# KiCad board MemoryBrakout.kicad_pcb (continued)
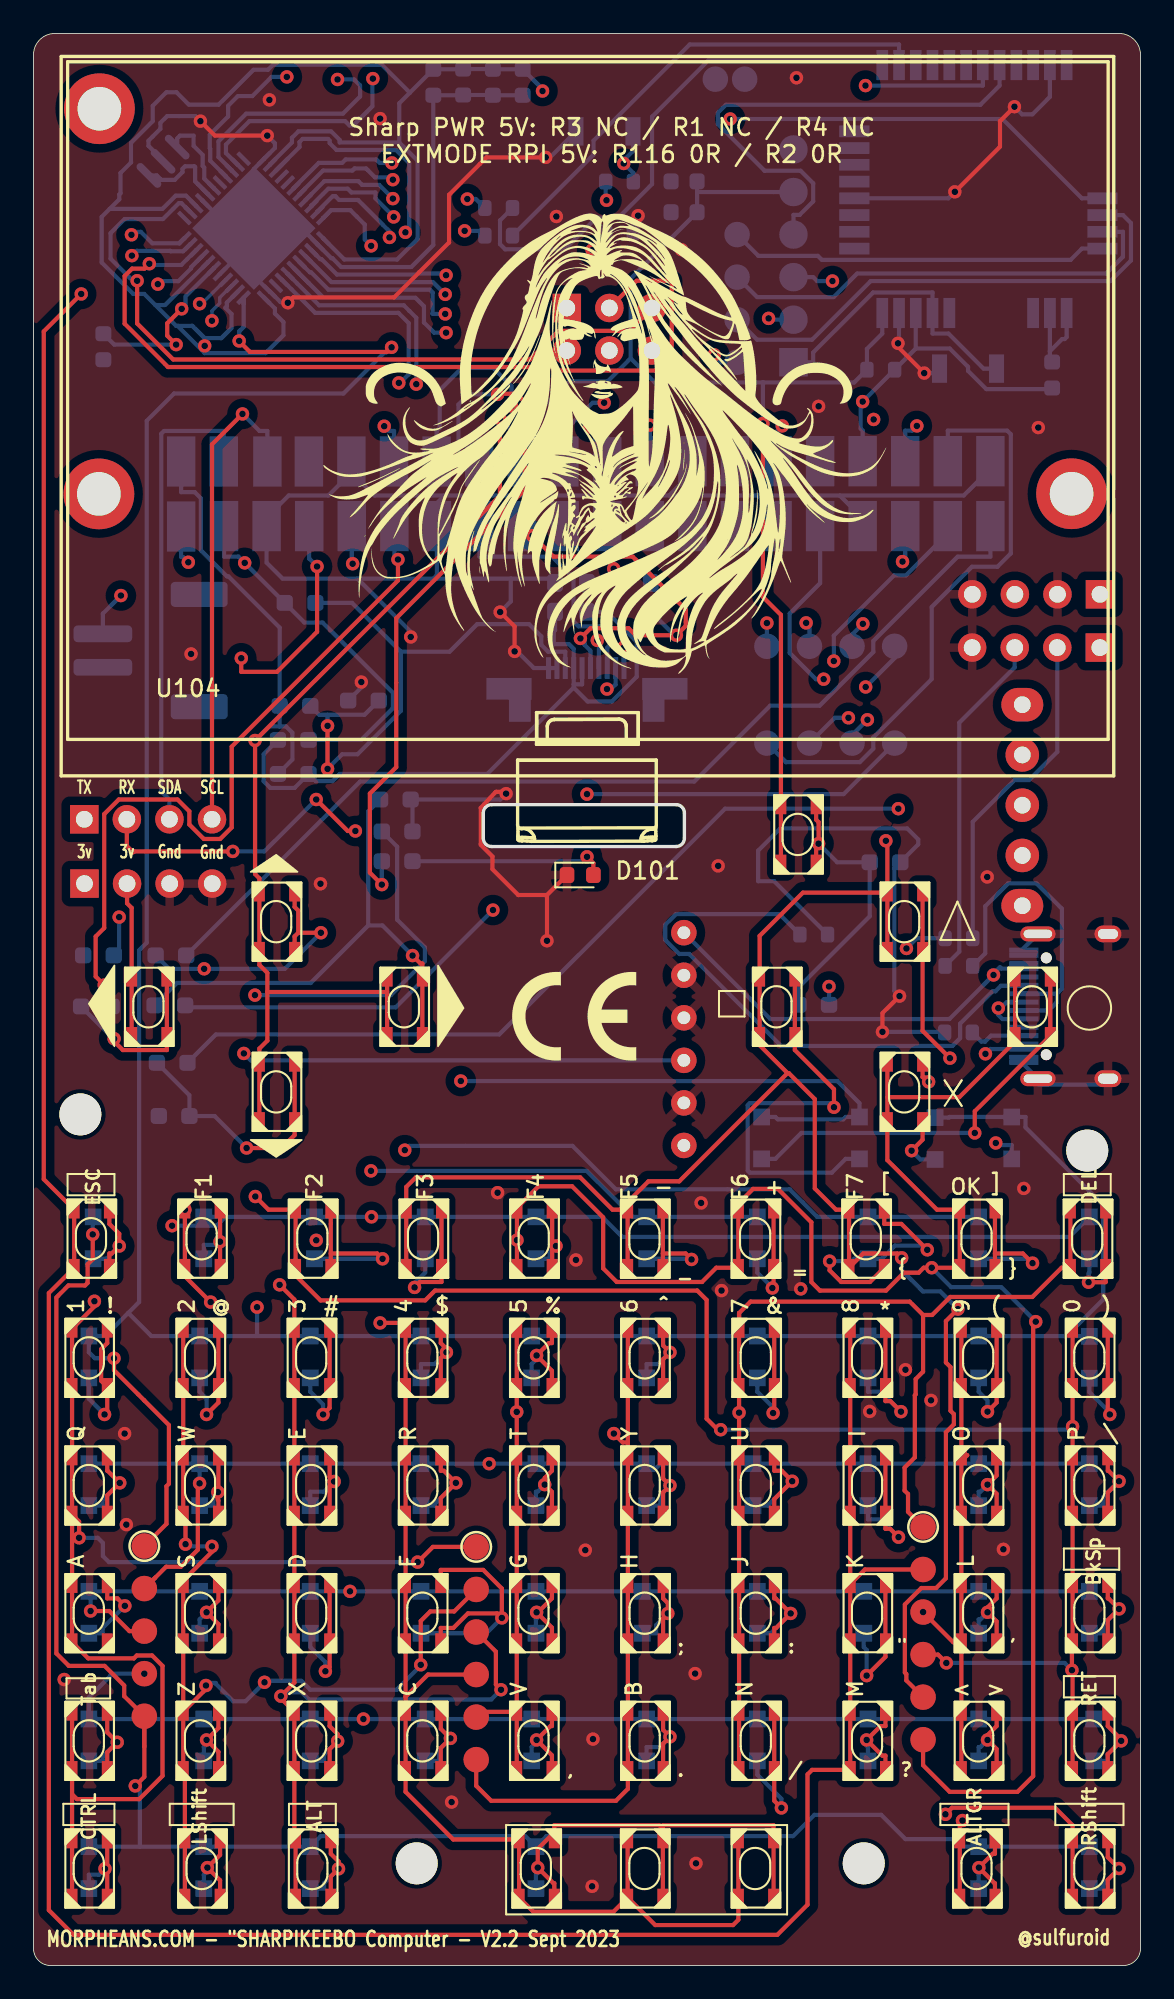
[diagram p0: board, top side]
## Nets
5volts: C107.2 C108.2 C109.2 C110.2 J104.1 J105.2 J107.1 J109.2 J110.2 J110.4 R2.1 R4.2 R102.1 U103.2 U103.7 U103.14 U103.24 U103.34 U103.44
+3V3: C104.2 C105.2 J101.5 J106.1 J106.2 J110.1 J110.17 R1.2 R3.1 R103.1 SW101.1 SW103.1 SW104.1 SW106.1 SW107.1 U101.24
/VBUS5v: J111.A4 J111.A9 J111.B4 J111.B9 U102.6
GND: C103.1 C104.1 C105.1 C106.1 C107.1 C108.1 C109.1 C110.1 C111.2 C112.2 C113.2 D101.1 J101.6 J103.2 J104.2 J104.4 J106.3 J106.4 J107.4 J109.6 J110.6 J110.9 J110.14 J110.20 J110.25 J110.30 J110.34 J110.39 J111.A1 J111.A12 J111.B1 J111.B12 J111.S1 R101.2 R105.2 R107.2 R109.2 R113.2 R116.2 R118.1 R121.1 R122.1 SW102.2 SW105.2 U101.11 U101.17 U101.18 U101.23 U101.28 U102.2 U102.4 U102.5 U103.5 U103.15 U103.23 U103.35 U103.43 U103.45 U104.9 U104.10 Y101.2
/BAT+: J103.1 J104.3 U102.3
/BOOTR: J101.1 SW105.1 U101.21
/BUT1: J110.12 R108.1
/BUT2: J110.32 R104.1
/BUT3: J110.36 R106.1
/BUT4: J110.38 R110.1
/BUT5: J110.40 R114.1
/CS: J110.16 U104.3
/DIO0W: J110.7
/DISPON: C111.1 J110.18 U104.5
/EXTCOMIN: J110.22 U104.4
/EXTMODE: R1.1 R4.1 R116.1 U104.8
/I5: J110.29 J113.4
/I17: J110.11 J112.1
/I19: J110.35 J112.3
/I27: J110.13 J112.2
/I29: J110.37 J112.4
/MISO: J110.21 J113.2
/MOSI: J110.19 J113.1 U104.2
/RESETR: C103.2 J101.2 J110.33 R103.2 U101.22
/RX1: U101.5
/RXD: J108.2 J110.10 R112.1
/SCK: J110.23 J113.3 U104.1
/SCL: J108.4 J110.5
/SDA: J108.3 J110.3
/SWCLK: J101.4 U101.8
/SWDIO: J101.3 U101.7
/TX1: U101.4
/TXD: J108.1 J110.8 R111.1
/VIOLED: J110.15 R123.1
COL0: J2.1 Ky201.1 Ky202.1 Ky203.1 Ky204.1 Ky205.1 U103.28
COL1: J2.2 Ky206.1 Ky207.1 Ky208.1 Ky209.1 Ky210.1 U103.29
COL2: J2.3 Ky211.1 Ky212.1 Ky213.1 Ky214.1 Ky215.1 U103.30
COL3: J2.4 Ky216.1 Ky217.1 Ky218.1 Ky219.1 Ky220.1 Ky221.1 Ky222.1 U103.31
COL4: J2.5 Ky223.1 Ky224.1 Ky225.1 Ky226.1 Ky227.1 U103.32
COL5: J2.6 Ky228.1 Ky229.1 Ky230.1 Ky231.1 Ky232.1 U103.37
COL6: J3.1 Ky233.1 Ky234.1 Ky235.1 Ky236.1 Ky237.1 U103.36
COL7: J3.2 Ky238.1 Ky239.1 Ky240.1 Ky241.1 Ky242.1 U103.8
COL8: J3.3 Ky243.1 Ky244.1 Ky245.1 Ky246.1 Ky247.1 U103.19
COL9: J3.4 Ky248.1 Ky249.1 Ky250.1 Ky251.1 Ky252.1 U103.20
COL10: J3.5 Ky253.1 Ky254.1 Ky255.1 Ky256.1 Ky257.1 U103.21
COL11: J3.6 Ky258.1 Ky259.1 Ky260.1 Ky261.1 Ky262.1 U103.25
D+: J107.2 R119.2 U103.4
D-: J107.3 R120.2 U103.3
MISOA: J109.1 U103.11
MOSIA: J109.4 U103.10
RESETA: J109.5 R102.2 SW102.1 U103.13
ROW0: D201.1 D206.1 D211.1 D216.1 D221.1 D226.1 D231.1 D236.1 D241.1 D246.1 D251.1 D256.1 J1.1 U103.1
ROW1: D202.1 D207.1 D212.1 D217.1 D222.1 D227.1 D232.1 D237.1 D242.1 D247.1 D252.1 D257.1 J1.2 U103.38
ROW2: D203.1 D208.1 D213.1 D218.1 D223.1 D228.1 D233.1 D238.1 D243.1 D248.1 D253.1 D258.1 J1.3 U103.41
ROW3: D204.1 D209.1 D214.1 D219.1 D224.1 D229.1 D234.1 D239.1 D244.1 D249.1 D254.1 D259.1 J1.4 U103.40
ROW4: D205.1 D210.1 D215.1 D220.1 D225.1 D230.1 D235.1 D240.1 D245.1 D250.1 D255.1 D260.1 J1.5 U103.39
SCKA: J109.3 U103.9
UCAP: C106.2 U103.6
XTAL1: U103.17 Y101.1
XTAL2: U103.16 Y101.3
Net-(D101-A): D101.2 R123.2
Net-(D201-A): D201.2 Ky201.2
Net-(D202-A): D202.2 Ky202.2
Net-(D203-A): D203.2 Ky203.2
Net-(D204-A): D204.2 Ky204.2
Net-(D205-A): D205.2 Ky205.2
Net-(D206-A): D206.2 Ky206.2
Net-(D207-A): D207.2 Ky207.2
Net-(D208-A): D208.2 Ky208.2
Net-(D209-A): D209.2 Ky209.2
Net-(D210-A): D210.2 Ky210.2
Net-(D211-A): D211.2 Ky211.2
Net-(D212-A): D212.2 Ky212.2
Net-(D213-A): D213.2 Ky213.2
Net-(D214-A): D214.2 Ky214.2
Net-(D215-A): D215.2 Ky215.2
Net-(D216-A): D216.2 Ky217.2
Net-(D217-A): D217.2 Ky218.2
Net-(D218-A): D218.2 Ky219.2
Net-(D219-A): D219.2 Ky220.2
Net-(D220-A): D220.2 Ky216.2 Ky221.2 Ky222.2
Net-(D221-A): D221.2 Ky223.2
Net-(D222-A): D222.2 Ky224.2
Net-(D223-A): D223.2 Ky225.2
Net-(D224-A): D224.2 Ky226.2
Net-(D225-A): D225.2 Ky227.2
Net-(D226-A): D226.2 Ky228.2
Net-(D227-A): D227.2 Ky229.2
Net-(D228-A): D228.2 Ky230.2
Net-(D229-A): D229.2 Ky231.2
Net-(D230-A): D230.2 Ky232.2
Net-(D231-A): D231.2 Ky233.2
Net-(D232-A): D232.2 Ky234.2
Net-(D233-A): D233.2 Ky235.2
Net-(D234-A): D234.2 Ky236.2
Net-(D235-A): D235.2 Ky237.2
Net-(D236-A): D236.2 Ky238.2
Net-(D237-A): D237.2 Ky239.2
Net-(D238-A): D238.2 Ky240.2
Net-(D239-A): D239.2 Ky241.2
Net-(D240-A): D240.2 Ky242.2
Net-(D241-A): D241.2 Ky243.2
Net-(D242-A): D242.2 Ky244.2
Net-(D243-A): D243.2 Ky245.2
Net-(D244-A): D244.2 Ky246.2
Net-(D245-A): D245.2 Ky247.2
Net-(D246-A): D246.2 Ky248.2
Net-(D247-A): D247.2 Ky249.2
Net-(D248-A): D248.2 Ky250.2
Net-(D249-A): D249.2 Ky251.2
Net-(D250-A): D250.2 Ky252.2
Net-(D251-A): D251.2 Ky253.2
Net-(D252-A): D252.2 Ky254.2
Net-(D253-A): D253.2 Ky255.2
Net-(D254-A): D254.2 Ky256.2
Net-(D255-A): D255.2 Ky257.2
Net-(D256-A): D256.2 Ky258.2
Net-(D257-A): D257.2 Ky259.2
Net-(D258-A): D258.2 Ky260.2
Net-(D259-A): D259.2 Ky261.2
Net-(D260-A): D260.2 Ky262.2
Net-(J102-Pin_1): J102.1 U101.13
Net-(J102-Pin_2): J102.2 U101.14
Net-(J102-Pin_3): J102.3 U101.15
Net-(J102-Pin_4): J102.4 U101.16
Net-(J105-Pin_1): J105.1 U102.1
Net-(J111-CC1): J111.A5 R122.2
Net-(J111-CC2): J111.B5 R121.2
Net-(J111-D+-PadA6): J111.A6 J111.B6 R119.1
Net-(J111-D--PadA7): J111.A7 J111.B7 R120.1
Net-(R101-Pad1): R101.1 R104.2 SW101.2
Net-(R105-Pad1): R105.1 R106.2 SW103.2
Net-(R107-Pad1): R107.1 R108.2 SW104.2
Net-(R109-Pad1): R109.1 R110.2 SW106.2
Net-(R113-Pad1): R113.1 R114.2 SW107.2
Net-(U101-UART2_RX/PA3): R111.2 U101.1
Net-(U101-UART2_TX/PA2): R112.2 U101.2
Net-(U103-~{HWB}/PE2): R118.2 U103.33
Net-(U104-VDDA): C112.1 C113.1 R2.2 R3.2 U104.6 U104.7

Pads without a net: J103 MP; J105 3; J110 24 26 27 28 31 41 42; J111 A8 B8; U101 3 6 9 10 12 19 20 25 26 27 29 30 31 32; U103 12 18 22 26 27 42; U104 11

## Via types
v1: diameter 0.8, hole 0.4, Top to Bottom, 259 vias

## Routing (per net, layer and track width the routed paths; a pad name or vN(x,y) marks a point on that pad's centre or on a via; arc(x,y) is an arc through that point)
5volts: length 210.5
  In1.Cu w0.25: J105.2 63.62,73.88 J107.1 ; v1(9.23,83.76) 10.21,84.73 v1(10.21,96.67) ; v1(50.12,92.28) 49.25,92.28 46.31,95.22 33.8,95.22 32.99,96.03 32.99,96.39 J109.2
  In2.Cu w0.25: 32.59,105.36 32.59,101.98 32.99,101.58 32.99,97.94 32.62,97.57 31.81,97.57 J109.2 ; 32.59,105.36 32.59,109.66 v1(30.37,111.88) ; 32.59,105.36 v1(34.18,105.36) ; v1(50.12,92.28) 50.46,92.62 53,92.62 62.61,83.02 63.63,83.02 J104.1 63.63,79.85 63.62,79.84 J107.1 ; v1(12.6,83.72) 9.27,83.72 v1(9.23,83.76)
  Bottom w0.25: 8.59,97.87 8.51,97.87 7.26,99.11 ; 8.59,97.87 9.47,97.87 10.21,97.13 ; 8.59,97.87 10.21,96.24 13.84,96.24 14.91,97.31 14.91,98.09 14.4,98.6 14.4,98.9 U103.44 ; U103.34 17.29,103.08 18.54,101.83 21.69,101.83 22.91,103.05 22.91,107.72 21.82,108.81 ; 4.55,104.85 5.12,105.42 5.12,105.71 5.19,105.78 5.19,106.99 5.82,107.62 5.82,108.79 7.11,110.08 7.11,111 7.92,111.81 8.52,111.81 9.27,111.07 11.04,111.07 13.13,113.15 13.99,113.15 14.29,113.45 20.78,113.45 22.45,111.78 ; 4.55,104.85 7.7,104.85 8.48,105.64 9.09,105.64 9.71,105.02 9.71,105.01 U103.14 ; 4.55,104.85 4.06,104.37 4.06,101.65 5.94,99.77 6.6,99.77 7.26,99.11 ; 14.11,107.49 U103.24 14.11,107.49 ; 14.11,107.49 14.11,107.5 15.42,108.81 15.42,109.09 15.8,109.47 17.75,109.47 18.26,108.97 18.26,108.81 21.82,108.81 ; 22.45,111.78 C109.2 25.62,113.18 C107.2 27.39,113.2 C110.2 C108.2 30.37,112 v1(30.37,111.88) ; 22.45,111.78 21.82,111.15 21.82,108.81 ; R102.1 34.14,105.41 v1(34.18,105.36) ; 7.26,99.11 7.85,99.11 U103.7 ; J110.4 11.37,84.09 12.23,84.09 v1(12.6,83.72) R4.2 16.16,80.16 17.25,80.16 21.44,75.97 21.44,75.04 19.55,73.15 R2.1 ; U103.2 11.53,99.25 11.53,99.03 11.44,98.95 11.81,98.58 11.81,97.74 11.2,97.13 10.21,97.13 ; 10.21,97.13 v1(10.21,96.67) ; v1(9.23,83.76) 8.92,84.07 8.81,84.07 J110.2
+3V3: length 185.2
  Top w0.25: SW104.1 SW104.1 5.85,63.13 5.58,63.4 J106.2 ; 13.95,58.11 13.95,55.2 13.47,54.73 SW103.1 SW103.1 ; 13.95,58.11 21.09,58.11 ; 13.95,58.11 13.95,59.25 13.47,59.72 SW107.1 SW107.1 13.47,64.89 13.22,65.14 v1(13.22,73.12) 27.83,87.73 v1(27.83,92.33) ; 21.09,58.11 SW106.1 ; 21.09,58.11 SW106.1 ; SW101.1 SW101.1 44.59,80.61 43.52,81.69 v1(43.52,92.04)
  In1.Cu w0.25: v1(13.22,73.12) 9.38,69.28 9.38,67.57 6.76,64.94 6.76,64.58 J106.2 J106.1
  Bottom w0.25: v1(27.83,92.33) 28.41,91.75 29.13,91.75 ; R3.1 15.44,71.98 15.44,73.58 15.06,73.96 14.69,73.96 ; 29.13,91.75 31.94,94.56 34.25,94.56 35.62,95.93 ; 29.13,91.75 J110.17 ; 43.52,94.49 37.07,94.49 35.62,95.93 ; 43.52,94.49 v1(43.52,92.04) ; 43.52,94.49 48.96,94.49 R103.1 49.72,96.49 50.63,97.41 U101.24 ; 39.59,105.85 C105.2 ; 39.59,105.85 C104.2 35.62,100.69 35.62,95.93 ; 39.59,105.85 J101.5 ; 14.69,73.96 14.06,73.96 v1(13.22,73.12) ; 14.69,73.96 R1.2 14.69,79.85 11.63,82.91 11.54,82.91 9.98,84.47 9.98,87.57 9.62,87.94 8.81,87.94 J110.1
/VBUS5v: length 31.1
  In2.Cu w0.25: v1(57.27,59.12) 56.79,58.64 v1(56.79,54.41)
  Bottom w0.25: v1(57.27,59.12) 54.64,56.49 43.95,56.49 U102.6 ; v1(57.27,59.12) 57.3,59.15 ; v1(57.27,59.12) 57.27,59.2 57.66,59.59 57.74,59.5 J111.B9 ; v1(56.79,54.41) 57.08,54.7 J111.A9
GND: length 286.3
  Top w0.25: v1(50.65,55.73) 50.65,56.85 v1(51.66,57.86) ; v1(54.97,105.87) 57.66,108.56 57.66,110.08 v1(58.52,110.95) ; 30.63,63.89 v1(30.63,61.16) ; 30.63,63.89 D101.1 ; 30.63,63.89 28.92,63.89 27.38,65.43 27.38,66.19 26.68,66.89 26.68,69.1 27.53,70 27.58,70.05 28.09,70.05 v1(28.19,69.95) ; v1(53.14,95.05) 51.58,96.61 v1(51.58,96.82) ; v1(15.17,99.25) 15.49,99.57 21.51,99.57 23.01,101.07 24.79,102.84 24.79,105.69 26.62,107.52 27.03,107.92 v1(30.56,107.92) ; v1(28.7,78.44) 28.7,79.92 v1(27.84,80.79) ; v1(13.94,109.22) 10.82,109.22 v1(9.96,110.08)
  In1.Cu w0.25: v1(19.56,76.61) 19.56,77.47 21.39,79.3 v1(22.5,79.3) ; v1(39.83,45.52) 37.8,45.52 36.42,46.89 36.42,54.19 U102.4
  Bottom w0.25: J110.20 31.69,86.57 30.51,87.74 ; U101.17 61.63,97.19 61.52,97.08 61.37,97.08 60.63,96.35 ; 30.51,87.74 37.91,87.74 ; 30.51,87.74 24.52,87.74 ; 24.52,87.74 20.34,87.74 18.97,89.12 ; 24.52,87.74 24.07,87.29 J110.14 24.07,82.99 23.85,82.78 ; 13.14,102.98 13.14,100.85 14.09,99.91 U103.43 14.12,99.91 14.73,99.29 15.13,99.29 v1(15.17,99.25) ; 13.14,102.98 11.13,100.97 U103.5 ; 13.14,102.98 U103.45 ; 13.14,102.98 U103.45 ; J111.A12 59.08,53.77 J111.S1 ; 19.33,82.78 23.85,82.78 ; 19.33,82.78 14.86,82.78 13.91,83.73 J110.6 13.91,86.42 15.22,87.74 17.59,87.74 18.97,89.12 ; 19.33,82.78 22.5,79.6 v1(22.5,79.3) ; 23.85,82.78 28.47,82.78 ; J110.30 44.39,86.57 43.21,87.74 ; Y101.2 7.73,107.74 6.86,108.61 6.86,108.92 7.57,109.63 7.57,109.98 7.98,110.39 9.65,110.39 v1(9.96,110.08) ; 28.47,82.78 30.86,82.78 C113.2 ; 28.47,82.78 28.47,81.42 v1(27.84,80.79) ; 59.92,52.58 64.1,52.58 ; R122.1 44.18,64.72 43.23,64.72 43.23,66.55 44.55,67.87 52.12,67.87 52.78,67.21 52.78,66.92 R101.2 51.35,65.49 51.35,58.17 v1(51.66,57.86) ; SW102.2 30.81,107.92 v1(30.56,107.92) ; U103.45 13.14,107.23 13.75,107.83 U103.23 13.76,107.84 14.4,108.48 14.4,108.76 v1(13.94,109.22) ; U103.45 15.99,103.7 16.93,102.75 U103.35 17.76,101.9 17.83,101.9 18.36,101.38 22.54,101.38 23.85,102.69 C109.1 25.62,111.63 C107.1 27.39,111.65 C110.1 C108.1 ; U103.45 11.72,103.7 10.06,105.36 U103.15 10.05,105.36 ; v1(28.7,78.44) 28.85,78.44 29.85,77.44 U104.10 U104.9 ; J110.25 39.31,89.14 37.91,87.74 ; R116.2 19.56,76.29 v1(19.56,76.61) ; J111.S1 59.08,60.73 J111.A1 ; 43.21,87.74 37.91,87.74 ; 43.21,87.74 48.1,87.74 ; J110.39 57.09,89.33 55.5,87.74 48.1,87.74 ; R118.1 35.79,104.16 v1(36.07,104.44) ; R107.2 22.61,69.49 R109.2 27.84,69.6 v1(28.19,69.95) ; U101.23 51.63,96.88 v1(51.58,96.82) ; U101.11 60.63,111.54 59.59,110.49 58.98,110.49 v1(58.52,110.95) ; v1(53.14,95.05) 53.79,95.05 SW105.2 ; v1(50.65,55.73) 54.32,55.73 R121.1 ; 18.97,89.12 J110.9 ; v1(54.97,105.87) 54.58,105.48 U101.28 ; 48.1,87.74 49.47,86.38 J110.34 ; 60.63,96.35 60.63,95.84 C103.1 ; 60.63,96.35 U101.18
  vias: v1(1.83,17.07) v1(5.44,31.75) v1(5.54,26.31) v1(9.4,78.28) v1(14.07,111.35) v1(17.12,64.57) v1(20.68,110.24) v1(24.94,9.75) v1(27.69,46.13) v1(31.19,104.39) v1(32.36,42.11) v1(32.92,24.79) v1(33.32,4.72) v1(33.38,13.51) v1(38.66,102.41) v1(39.47,17.42) v1(39.52,6.1) v1(40.84,65.63) v1(41.05,40.28) v1(45.52,112.67) v1(45.77,40.39) v1(46.84,93.07) v1(49.89,33.07) v1(52.02,35.56) v1(53.54,33.73) v1(56.9,64.97) v1(57.86,24.84) v1(59.08,46.38) v1(59.94,91.8)
/BAT+: length 97.4
  In1.Cu w0.25: U102.3 56.07,71.3 56.07,74.53 59.72,78.18 59.72,79.49 58.55,80.67 J104.3
  In2.Cu w0.25: v1(5.21,81.77) 4.38,80.94 4.38,62.28 12.22,54.44 v1(12.55,54.44)
  Bottom w0.25: J103.1 4.13,80.69 v1(5.21,81.77) ; v1(12.55,54.44) 12.96,54.03 U102.3
/BOOTR: length 17.5
  Bottom w0.25: 57.45,95.31 56.68,95.31 54.58,97.41 53.63,97.41 U101.21 53.63,99.86 50.09,99.86 46.51,96.28 46.51,95.69 J101.1
/BUT1: length 44
  Top w0.25: v1(4.22,58.52) 3.71,59.03 3.71,61.42 4.22,61.93 4.22,68.73 5.09,69.6 8.59,69.6 9.3,68.89 9.3,68.1 10.16,67.24 11.13,67.24 11.82,67.93 11.82,72.75 21.74,82.67 v1(21.74,83.92)
  Bottom w0.25: v1(4.22,58.52) 4.22,57.69 R108.1 ; v1(21.74,83.92) 21.53,84.14 J110.12
/BUT2: length 30.7
  In2.Cu w0.25: v1(47.46,58.43) 47.56,58.54 47.56,67.26 47.14,67.68 v1(47.14,76.78)
  Bottom w0.25: J110.32 46.93,82.51 45.11,80.69 45.11,78.34 46.67,76.78 v1(47.14,76.78) ; v1(47.46,58.43) R104.1
/BUT3: length 65.7
  In1.Cu w0.25: v1(51.59,69.05) 51.84,69.3 v1(51.84,83.8)
  Bottom w0.25: R106.1 10.88,55.57 27.78,55.57 41.26,69.05 v1(51.59,69.05) ; v1(51.84,83.8) 52.01,83.96 J110.36
/BUT4: length 60.1
  In1.Cu w0.25: v1(47.74,77.86) 47.86,77.74 47.86,75.6 35.26,63 v1(27.41,63)
  Bottom w0.25: v1(47.74,77.86) 47.74,79.38 51.34,82.97 52.05,82.97 54.55,85.47 J110.38 ; v1(27.41,63) 21.61,57.19 9.16,57.19 R110.1
/BUT5: length 60
  Bottom w0.25: R114.1 19.48,70.67 39.42,70.67 43.95,75.2 46.9,75.2 50.1,78.4 50.1,79.06 55.13,84.09 57.09,84.09 J110.40
/CS: length 15.1
  Bottom w0.25: J110.16 26.61,84.09 30.93,84.09 32.21,82.81 32.21,80.23 32.51,79.93 33.85,79.93 34.39,79.39 34.39,78.82 34.23,78.66 U104.3
/DISPON: length 23.9
  Top w0.25: v1(32.63,79.21) 33.23,79.82 35.5,79.82 35.92,79.4 v1(38.35,79.4) 38.91,79.96 38.91,80.92 35.74,84.1 31.02,84.1 v1(29.77,85.34)
  Bottom w0.25: J110.18 29.2,85.92 v1(29.77,85.34) ; U104.5 33.23,78.47 32.87,78.83 32.87,78.97 v1(32.63,79.21) ; C111.1 38.23,79.4 v1(38.35,79.4)
/EXTCOMIN: length 9.1
  In1.Cu w0.25: v1(34.61,83.37) 33.63,82.39 v1(33.63,79.09)
  Bottom w0.25: v1(33.63,79.09) 33.73,79 U104.4 ; J110.22 34.23,84.09 34.61,83.7 v1(34.61,83.37)
/EXTMODE: length 36
  Top w0.25: v1(17.54,71.42) v1(17.54,73.99)
  Bottom w0.25: 21.92,78.42 21.92,74.89 19.33,72.3 18.41,72.3 v1(17.54,71.42) ; 21.92,78.42 19,81.33 R4.1 ; 21.92,78.42 24.82,78.42 26.47,80.06 29.57,80.06 30.29,79.33 30.29,78.82 30.7,78.42 31.73,78.42 U104.8 ; v1(17.54,73.99) 17.54,74.65 ; 17.54,74.65 17.04,74.65 R1.1 ; 17.54,74.65 19.75,74.65 R116.1
/I5: length 15.8
  In2.Cu w0.25: v1(43.75,80.13) 43.75,90.98 v1(44.67,91.89)
  Bottom w0.25: v1(44.67,91.89) 44.39,91.61 44.39,91.61 J110.29 ; v1(43.75,80.13) J113.4
/I17: length 49.1
  In2.Cu w0.25: v1(20.92,91.88) 20.92,82.02 v1(33.02,69.92)
  Bottom w0.25: v1(20.92,91.88) 21.21,91.59 21.51,91.59 J110.11 ; v1(33.02,69.92) 48.33,69.92 J112.1
/I19: length 24.8
  In2.Cu w0.25: v1(48.62,74.47) 48.84,74.47 52.7,78.33 v1(52.7,91.89)
  Bottom w0.25: v1(48.62,74.47) 47.8,74.47 J112.3 ; v1(52.7,91.89) 52.42,91.61 52.01,91.61 J110.35
/I27: length 43.4
  In1.Cu w0.25: v1(28.51,93.09) 39.64,81.96 45.36,81.96 48.75,78.57 48.75,75.61 49.75,74.62 v1(49.75,74.35)
  Bottom w0.25: J110.13 24.05,91.59 24.23,91.77 24.23,94.03 25.55,95.35 27.43,95.35 28.51,94.27 v1(28.51,93.09) ; J112.2 48.83,73.44 v1(49.75,74.35)
/I29: length 35.9
  Bottom w0.25: J110.37 54.55,91.61 58.09,91.61 58.3,91.4 58.3,84.29 57.51,83.49 55.99,83.49 53.58,81.09 53.58,76.78 50.1,73.3 50.1,72.63 49.3,71.82 44.89,71.82 J112.4
/MISO: length 25.8
  In1.Cu w0.25: v1(49.48,80.08) 38.69,90.87 34.15,90.87 v1(33.18,91.83)
  Bottom w0.25: v1(33.18,91.83) 33.47,91.55 34.23,91.55 J110.21 ; J113.2 48.83,79.44 v1(49.48,80.08)
/MOSI: length 52.9
  In1.Cu w0.25: v1(34.04,93.28) 37.36,93.28 50.22,80.42 50.22,76.88 v1(49.65,76.31)
  In2.Cu w0.25: v1(34.21,76.19) 34.36,76.34 34.36,82.6 33.89,83.07 33.89,83.67 34.04,83.83 v1(34.04,93.28)
  Bottom w0.25: v1(34.21,76.19) 34.45,76.19 34.73,76.47 U104.2 ; v1(34.04,93.28) 33.35,93.28 31.67,91.59 J110.19 ; v1(49.65,76.31) 51.37,78.04 J113.1
/RESETR: length 28.7
  In1.Cu w0.25: v1(49.47,93.34) 48.82,93.34 v1(43.85,98.31)
  Bottom w0.25: U101.22 52.63,96.51 ; 52.63,96.51 54.66,96.51 55.75,95.42 55.75,95.18 56.84,94.09 60.7,94.09 C103.2 ; 52.63,96.51 R103.2 v1(49.47,93.34) 49.35,93.23 49.35,91.73 49.47,91.61 J110.33 ; J101.2 43.93,98.23 v1(43.85,98.31)
/RXD: length 90.8
  Top w0.25: v1(11.89,66.5) 5.99,66.5 5.94,66.45 5.57,66.82 J108.2 ; v1(16.87,69.6) 18.75,67.72 v1(19.2,67.72)
  In1.Cu w0.25: v1(19.04,83.67) 18.76,83.39 18.76,68.16 v1(19.2,67.72)
  In2.Cu w0.25: J108.2 5.57,69.59 13.47,77.49 13.47,100.77 21.02,108.32 21.73,108.32 25.72,104.33 v1(25.72,103.54)
  Bottom w0.25: v1(16.87,69.6) 13.77,66.5 v1(11.89,66.5) ; J110.10 18.99,83.72 v1(19.04,83.67) ; v1(25.72,103.54) 26.64,103.54 R112.1
/SCK: length 30.8
  In1.Cu w0.25: v1(46.09,80.14) 45.36,80.87 37.41,80.87 v1(35.23,78.69)
  In2.Cu w0.25: v1(35.23,78.69) 36.77,80.23 v1(36.77,91.94)
  Bottom w0.25: v1(46.09,80.14) 46.29,79.94 J113.3 ; J110.23 v1(36.77,91.94) ; v1(35.23,78.69) U104.1
/SCL: length 28.7
  Top w0.25: J108.4 10.65,90.79 v1(12.47,92.61)
  Bottom w0.25: J110.5 13.95,91.59 13.48,91.59 v1(12.47,92.61)
/SDA: length 28.8
  Bottom w0.25: J108.3 8.11,69.59 7.62,70.08 7.62,91.43 7.78,91.59 11.35,91.59 J110.3
/SWCLK: length 30.3
  Bottom w0.25: J101.4 45.34,104.49 45.71,104.49 46.51,105.3 46.51,106.38 45.76,107.12 43.61,107.12 40.83,109.91 40.83,110.58 41.31,111.06 56.49,111.06 57.63,112.21 U101.8
/SWDIO: length 23.1
  In2.Cu w0.25: v1(47.66,100.54) 47.66,110.24 v1(49.63,112.21)
  Bottom w0.25: v1(47.66,100.54) 46.75,100.54 46.51,100.77 J101.3 ; U101.7 56.63,112.21 v1(49.63,112.21)
/TXD: length 68.9
  Top w0.25: v1(16.92,83.5) 16.92,79.6 14.53,77.22 12.4,77.22 v1(12.4,78.03)
  In1.Cu w0.25: 11.07,78.24 11.07,96.82 12.96,98.72 12.96,100.24 21.08,108.36 22.95,108.36 v1(25.88,105.44) ; 11.07,78.24 11.07,77.63 3.03,69.59 J108.1 ; 11.07,78.24 11.28,78.03 v1(12.4,78.03)
  Bottom w0.25: v1(25.88,105.44) 26.39,105.44 R111.1 ; v1(16.92,83.5) 16.45,83.97 J110.8
/VIOLED: length 43.3
  Top w0.25: v1(20.78,64.52) 20.07,65.23 20.07,69.95 21.64,71.53 21.64,80.42 29.31,88.09 29.31,93.32 28.82,93.81 27.72,93.81 v1(27.69,93.78)
  Bottom w0.25: J110.15 25.55,89.77 25.35,89.97 25.35,93.17 25.96,93.78 v1(27.69,93.78) ; R123.1 20.78,65.91 v1(20.78,64.52)
COL0: length 163.7
  Top w0.25: J2.1 23.83,24.99 v1(22.92,24.08) ; Ky202.1 2.72,26.5 v1(2.72,25.53) ; Ky202.1 Ky203.1 Ky203.1 3.26,18.33 5.99,18.33 6.16,18.5 7.07,18.5 7.7,17.88 7.7,11.32 6.31,9.93 2.59,9.93 2.3,10.22 ; Ky202.1 Ky202.1 Ky201.1 2.3,38 3.63,39.33 v1(3.63,39.65) ; 2.3,10.22 Ky204.1 Ky204.1 ; 2.3,10.22 Ky205.1 Ky205.1
  In1.Cu w0.25: v1(3.63,39.65) 3.96,39.32 6.48,39.32 7.48,40.32 11.11,40.32 13.96,43.17 13.96,100.17 v1(21.38,107.59)
  Bottom w0.25: 15.52,106.08 U103.28 15.52,106.08 ; 15.52,106.08 15.52,106.1 16.1,106.68 17.02,107.59 18.41,107.59 18.62,107.8 20.45,107.8 20.5,107.75 20.66,107.59 v1(21.38,107.59) ; v1(2.72,25.53) 3.84,25.53 4.14,25.22 4.14,24.44 4.5,24.08 v1(22.92,24.08)
COL1: length 160.7
  Top w0.25: Ky210.1 Ky210.1 9.03,11.58 Ky209.1 Ky209.1 ; 8.93,38 Ky206.1 Ky207.1 Ky207.1 9.07,26.78 v1(9.07,25.15) ; v1(10.29,16.71) 10.29,16.5 Ky209.1 ; J2.2 25.1,21.13 23.67,21.13 23.1,20.56 v1(23.1,17.95) ; Ky209.1 Ky208.1 Ky208.1 8.93,22.98 10.64,24.69 v1(10.64,25.02)
  In1.Cu w0.25: v1(21.44,106.59) 21.02,106.59 14.41,99.98 14.41,77.11 14.45,77.06 14.45,42.32 12.24,40.11 12.24,38.56 13.33,37.47 13.33,19.01 13.78,18.56 v1(13.78,16.9)
  Bottom w0.25: v1(10.64,25.02) 9.19,25.02 v1(9.07,25.15) ; v1(23.1,17.95) 23.1,17.89 21.67,16.46 16.51,16.46 15.98,16.99 13.87,16.99 v1(13.78,16.9) 12.65,15.77 11.91,15.77 10.87,16.81 10.87,16.87 10.44,16.87 v1(10.29,16.71) ; 15.87,105.73 U103.29 15.87,105.73 ; 15.87,105.73 15.87,105.74 16.2,106.07 17.27,107.14 19.03,107.14 19.15,107.26 19.84,107.26 19.94,107.16 20.37,106.73 21.3,106.73 v1(21.44,106.59)
COL2: length 129.7
  Top w0.25: Ky215.1 Ky215.1 15.56,7.59 Ky214.1 Ky214.1 14.76,15.95 v1(14.76,16.08) 15.56,16.88 Ky213.1 Ky213.1 Ky212.1 Ky212.1 Ky211.1 15.56,39.75 v1(14.68,40.63) ; v1(27.89,16.46) 27.58,16.76 27.58,18.73 J2.3
  In1.Cu w0.25: v1(14.68,40.63) 14.9,40.85 14.9,77.2 14.88,77.22 14.88,97.79 15.9,98.8 15.9,100.66 15.81,100.75 20.37,105.31 20.42,105.31 20.57,105.46 v1(21.44,105.46)
  Bottom w0.25: v1(14.76,16.08) 14.99,16.31 16,16.31 16.43,15.88 27.31,15.88 v1(27.89,16.46) ; U103.30 16.23,105.38 16.59,105.74 17.35,106.5 19.38,106.5 19.6,106.28 20.62,106.28 v1(21.44,105.46)
COL3: length 148.2
  Top w0.25: Ky216.1 Ky216.1 42.05,2.73 41.73,2.41 37.09,2.41 Ky222.1 ; Ky222.1 34.6,3.21 29.82,3.21 Ky221.1 Ky221.1 25.04,7.52 22.2,10.37 Ky220.1 Ky220.1 22.2,16.03 ; Ky222.1 Ky222.1 ; 22.2,16.03 Ky219.1 Ky219.1 Ky218.1 Ky218.1 Ky217.1 22.2,38 21.84,38.35 v1(20.68,38.35) ; 22.2,16.03 23.53,17.37 J2.4
  In1.Cu w0.25: v1(16.87,43.28) 16.87,45.24 16.61,45.49 16.61,55.09 15.7,56.01 15.35,56.35 15.35,78.24 15.42,78.31 15.42,89.1 15.52,89.2 15.52,97.61 16.41,98.5 16.41,100.43 17.63,101.65 17.68,101.65 20.4,104.37 v1(21.49,104.37)
  In2.Cu w0.25: v1(20.68,38.35) 20.57,38.25 17.3,38.25 16.92,38.63 16.87,38.68 v1(16.87,43.28)
  Bottom w0.25: v1(21.49,104.37) 21.49,104.38 20.4,105.48 20.4,105.83 18.97,105.83 18.75,106.05 17.58,106.05 17.27,105.74 16.58,105.05 16.58,105.03 ; 16.58,105.03 U103.31 ; 16.58,105.03 16.58,105.01
COL4: length 168.7
  Top w0.25: J2.5 26.72,15.14 Ky226.1 ; v1(55.42,8.65) 55.26,8.49 Ky227.1 Ky227.1 ; Ky226.1 Ky225.1 Ky225.1 Ky224.1 Ky224.1 v1(28.83,33.04) Ky223.1 28.83,38 ; Ky226.1 Ky226.1
  In1.Cu w0.25: v1(55.42,8.65) 55.42,11.08 53.67,12.82 53.67,19.28 54.29,19.89 54.29,21.78 43.4,32.67 43.4,32.75 42.42,33.73 29.51,33.73 v1(28.83,33.04)
  In2.Cu w0.25: v1(21.23,103.14) 20.68,103.14 20.4,103.43 19.25,103.43 16.18,100.36 16.18,98.35 15.42,97.59 15.42,38.58 21.08,32.92 28.7,32.92 v1(28.83,33.04)
  Bottom w0.25: 16.93,104.67 U103.32 16.93,104.67 ; 16.93,104.67 16.93,104.69 17.84,105.6 18.01,105.6 18.23,105.38 19.36,105.38 20.83,103.91 21.23,103.5 v1(21.23,103.14)
COL5: length 175.6
  Top w0.25: v1(34.62,31.75) 35.15,31.22 35.46,31.22 ; Ky232.1 Ky232.1 61.99,8.37 60.95,9.41 54.79,9.41 v1(54.4,9.02) ; 35.46,31.22 Ky228.1 35.46,38 ; 35.46,31.22 Ky229.1 Ky229.1 Ky230.1 Ky230.1 Ky231.1 Ky231.1 35.46,10.54 34.75,9.83 27.31,9.83 26.41,10.72 J2.6
  In1.Cu w0.25: v1(24.56,99.75) 25.12,99.75 26.07,98.79 26.23,98.64 26.23,37.17 26.73,36.67 26.73,32.12 27.45,31.4 31.63,31.4 32.26,32.03 34.34,32.03 v1(34.62,31.75) 35.69,30.68 44.52,30.68 53.84,21.36 53.84,20.3 53.22,19.68 53.22,12.42 54.4,11.23 v1(54.4,9.02)
  Bottom w0.25: v1(24.56,99.75) 23.83,100.48 17.78,100.48 U103.37
COL6: length 160.9
  Top w0.25: 42.09,38.94 42.77,39.62 52.27,39.62 53.07,38.83 ; 42.09,38.94 42.09,38 ; 42.09,38.94 42.09,38 ; J3.1 52.17,27.07 52.17,28.14 51.97,28.35 51.97,29.72 52.58,30.33 52.58,34.04 52.63,34.09 52.63,35 53.07,35.44 53.07,38.83 ; 42.09,38 Ky233.1 v1(42.09,33) Ky234.1 Ky234.1 Ky235.1 Ky235.1 Ky236.1 Ky236.1 ; 53.07,38.83 53.61,38.83 54.69,39.9 59.59,39.9 61.33,41.65 Ky237.1 Ky237.1
  In1.Cu w0.25: v1(42.09,33) 37.01,33 36.68,32.66 32.16,32.66 31.34,31.85 27.91,31.85 27.18,32.59 27.18,36.85 26.68,37.35 26.68,98.82 v1(24.61,100.89)
  Bottom w0.25: 16.85,102.11 U103.36 ; 16.85,102.11 16.58,102.38 ; 16.85,102.11 17.12,101.84 17.19,101.84 18.1,100.93 22.87,100.93 22.94,100.99 24.51,100.99 v1(24.61,100.89)
COL7: length 195.3
  Top w0.25: J3.2 49.6,23.64 Ky240.1 ; Ky240.1 Ky239.1 Ky239.1 Ky238.1 48.72,38 ; Ky240.1 Ky240.1 Ky241.1 Ky241.1 46.45,11.68 46.18,11.41 46.18,3.63 44.37,1.83 2.39,1.83 0.91,3.3 0.91,40.14 Ky242.1 Ky242.1 0.61,46.93 0.61,97.54 v1(2.84,99.77)
  In1.Cu w0.25: v1(2.84,99.77) 3.17,99.44 6.5,99.44 v1(7.42,100.36)
  Bottom w0.25: v1(7.42,100.36) 7.59,100.53 8.64,100.53 9.4,101.29 9.4,101.36 U103.8
COL8: length 223.9
  Top w0.25: v1(10.57,39.6) 9.03,41.13 Ky247.1 v1(9.03,45.11) ; Ky246.1 Ky246.1 Ky245.1 ; 55.36,38 Ky243.1 Ky244.1 55.43,30.45 55.7,30.45 55.36,30.11 Ky244.1 Ky245.1 Ky245.1 ; Ky245.1 54.87,19.3 v1(53.07,21.1)
  In1.Cu w0.25: v1(9.03,45.11) 9.03,45.78 7.39,47.42 1.8,47.42 1.17,48.06 1.17,101.22 2.29,102.34 2.62,102.34 6.17,105.89 6.17,109.07 10.01,112.9 14.94,112.9 v1(15.11,112.73) ; v1(10.57,39.6) 12.88,37.29 12.88,5.97 16.38,2.46 51.61,2.46 53.06,3.91 53.06,11.33 51.64,12.75 51.64,19.66 v1(53.07,21.1)
  Bottom w0.25: 11.47,106.78 U103.19 ; 11.47,106.78 11.47,106.79 10.54,107.72 10.54,108.43 10.52,108.46 10.52,109.27 11.61,110.36 11.61,111 12.19,111.58 13.06,111.58 14.2,112.73 v1(15.11,112.73) ; 11.47,106.78 11.47,106.78
COL9: length 200.4
  Top w0.25: 61.99,38 Ky248.1 v1(61.99,32.17) Ky249.1 Ky249.1 Ky250.1 Ky250.1 61.95,19.26 v1(61.95,17.63) 61.99,17.59 Ky251.1 Ky251.1 ; v1(13.23,45.9) 14.02,45.11 Ky252.1 Ky252.1 15.63,41.19 17.12,39.7 23.37,39.7 23.95,40.28 39.6,40.28 40.16,39.73 40.16,32.64 40.82,31.98 v1(41,31.98) ; J3.4 53.96,18.56 v1(54.46,18.06)
  In1.Cu w0.25: v1(13.23,45.9) 11.71,47.42 8.91,47.42 5.87,50.47 5.87,52.3 5.18,52.98 3.96,52.98 2.51,54.43 2.51,62.75 1.8,63.46 1.8,82.12 6.22,86.54 6.34,86.65 6.34,90.95 4.72,92.56 1.62,95.66 1.62,100.73 1.7,100.81 2.79,101.9 3.07,101.9 4.8,103.63 6.62,105.45 6.62,108.73 9.96,112.06 10.19,112.29 14.35,112.29 14.73,111.91 17.47,111.91 v1(18.14,112.57)
  Bottom w0.25: U103.20 11.83,107.14 ; 11.83,107.14 11.83,107.14 11.03,107.94 11.03,108.87 12.69,110.53 18.46,110.53 19.48,111.56 19.48,112.22 19.18,112.52 19.13,112.57 v1(18.14,112.57) ; 11.83,107.14 11.83,107.13 ; v1(61.99,32.17) 61.8,31.98 v1(41,31.98) ; v1(61.95,17.63) 61.52,18.06 v1(54.46,18.06)
COL10: length 192.2
  Top w0.25: v1(51.79,42.24) 51.53,42.5 49.5,42.5 Ky256.1 Ky256.1 47.88,45.11 46.61,46.38 46.61,51.71 45.06,53.26 44.98,53.26 ; Ky253.1 45.9,64.04 43.32,61.46 Ky254.1 Ky254.1 43.32,54.93 44.98,53.26 ; Ky253.1 Ky253.1 ; Ky253.1 50.94,67.04 v1(50.85,67.13) ; J3.5 52.07,17.02 52.07,17.4 51.98,17.49 51.98,21.55 52.97,22.53 53.85,22.53 54.43,23.11 54.43,31.83 54.91,32.3 54.91,32.91 54.71,33.11 54.71,35.72 54.43,35.99 54.43,38.46 v1(55.15,39.18) ; 34.99,45.11 Ky255.1 Ky255.1 ; 34.99,45.11 36.69,46.81 38.52,46.81 44.98,53.26 ; 34.99,45.11 34.54,45.11 32.61,47.04 22.81,47.04 22.24,46.47 Ky257.1 Ky257.1
  In1.Cu w0.25: v1(20.24,112.62) 42.09,112.62 50.85,103.86 v1(50.85,67.13)
  Bottom w0.25: U103.21 12.17,107.49 11.48,108.18 11.48,108.69 12.88,110.08 18.59,110.08 18.85,109.83 19.07,109.83 19.86,110.62 20.22,110.97 20.22,112.6 v1(20.24,112.62) ; v1(55.15,39.18) 54.09,40.23 53.06,40.23 51.79,41.5 v1(51.79,42.24)
COL11: length 205
  Top w0.25: 50.94,51.83 Ky258.1 50.94,48.07 53.9,45.11 Ky261.1 Ky261.1 v1(53.59,41.65) 53.1,41.65 52.81,41.35 51.93,41.35 50.86,40.28 46.91,40.28 46.41,40.79 46.41,44.36 44.41,46.35 42.93,46.35 42.05,45.48 Ky260.1 Ky260.1 40.73,41.65 39.88,40.8 34.8,40.8 33.98,41.61 33.98,44.65 32.13,46.51 30.12,46.51 28.84,45.22 Ky262.1 v1(28.84,43.29) Ky262.1 ; 50.94,51.83 55.23,51.83 58.56,55.16 Ky259.1 Ky259.1 ; 50.94,51.83 Ky258.1 ; J3.6 53.07,11.95 54.66,10.36 58.7,10.36 59.64,11.3 59.64,38.28 v1(59.79,38.43)
  In2.Cu w0.25: v1(28.84,43.29) 22.58,43.29 20.2,45.67 18.77,45.67 15.98,48.46 15.98,97.13 16.81,97.97 16.81,100 18.57,101.75 19.1,101.75 19.18,101.68 21.31,101.68 22.19,102.55 v1(22.19,103.45)
  Bottom w0.25: 15.16,107.84 U103.25 ; 15.16,107.84 14.46,107.13 ; 15.16,107.84 15.87,108.54 15.87,108.84 16.05,109.02 17.57,109.02 17.66,108.93 17.66,108.77 18.08,108.36 21.15,108.36 21.16,108.36 21.64,108.36 21.74,108.25 22.41,107.58 22.41,103.68 v1(22.19,103.45) ; v1(53.59,41.65) 54.75,40.49 57.73,40.49 v1(59.79,38.43)
D+: length 104.9
  In2.Cu w0.25: v1(9.91,99.19) 19.53,108.81 23.58,108.81 27.56,104.83 27.56,98.93 32.22,94.27 35.47,94.27 38.16,91.57 38.16,84.64 44.2,78.61 48.08,78.61 48.47,78.22 48.47,76.17 47.84,75.54 47.84,74.22 48.44,73.62 55.23,73.62 59.9,78.29 59.9,78.66 J107.2
  Bottom w0.2: 11.47,100.61 11.46,100.61 10.72,99.87 10.03,99.19 v1(9.91,99.19)
  Bottom w0.25: R119.2 56.03,68.26 58.53,70.76 59.39,70.76 61.08,72.44 J107.2 ; 11.47,100.61 U103.4
D-: length 106
  In1.Cu w0.25: 58.54,78.66 58.54,79.84 57.36,81.01 57.36,98.03 42,113.39 19.98,113.39 11.23,104.64 11.23,98.76 v1(10.64,98.17)
  Bottom w0.2: v1(10.64,98.17) 10.64,98.76 11.11,99.22 11.11,99.55 11.82,100.26 11.83,100.26
  Bottom w0.25: 58.54,78.66 58.54,77.49 55.23,74.18 55.23,60.51 R120.2
MISOA: length 37.7
  In2.Cu w0.25: J109.1 31.81,101.21 23.77,109.26 15.01,109.26 9.05,103.3 v1(5.84,103.3)
  Bottom w0.25: U103.11 8.98,103.09 8.74,102.84 8.69,102.79 7.09,102.79 6.4,103.48 6.02,103.48 v1(5.84,103.3)
MOSIA: length 57.6
  In1.Cu w0.25: v1(5.87,102.06) 4.07,102.06 2.07,100.06 2.07,99.5 3.93,97.64 10.04,97.64 10.28,97.4 10.98,97.4 11.9,98.32 11.9,99.82 20.9,108.82 28,108.82 35.53,101.28 35.53,98.38 34.72,97.57 34.35,97.57 J109.4
  Bottom w0.25: U103.10 9.34,102.73 8.92,102.32 8.18,102.32 8.15,102.34 6.15,102.34 v1(5.87,102.06)
RESETA: length 58
  Top w0.25: v1(6.18,100.56) 6.18,98.01 8.33,95.86 29.62,95.86 31.33,97.57 35.53,97.57 J109.5
  In2.Cu w0.25: v1(35.21,107.56) 36.89,105.88 J109.5
  Bottom w0.25: 9.09,104.92 8.82,105.19 8.67,105.19 8.34,104.86 7.72,104.24 5.44,104.24 4.6,103.4 4.6,101.88 5.72,100.76 5.92,100.56 v1(6.18,100.56) ; 9.09,104.92 U103.13 9.09,104.92 ; R102.2 35.79,106.98 v1(35.21,107.56) 35.21,107.75 35.76,108.3 SW102.1
ROW0: length 245.2
  Top w0.25: v1(12.27,96.97) 12.27,96.95 12.91,96.31 21.09,96.31 v1(21.36,96.58) ; 6.61,25.04 J1.1 7.93,26.36 7.93,28.61 8.08,28.75 8.08,32.26 6.61,33.72 6.25,34.09 4.8,35.53 v1(4.8,36.25)
  In1.Cu w0.25: v1(21.36,96.58) 21.36,95.86 21.06,95.55 21.01,95.5 21.01,93.32 20.27,92.58 18.31,90.63 18.31,40.51 18.14,40.33 17.7,39.9 13.94,39.9 v1(13.34,39.29)
  Bottom w0.25: 12.54,99.18 U103.1 12.54,99.18 ; 12.54,99.18 12.54,97.8 12.32,97.59 12.27,97.54 v1(12.27,96.97) ; 5.65,38.95 6.3,39.6 6.3,60.59 6.75,61.05 6.75,92.2 8.38,93.83 18.49,93.83 20.95,96.29 21.07,96.29 v1(21.36,96.58) ; 5.65,38.95 4.27,37.57 D201.1 3.3,36.6 3.66,36.25 v1(4.8,36.25) ; 5.65,38.95 7.03,37.57 D206.1 13.25,37.57 ; 61.63,37.57 63.82,39.76 63.82,45.39 59.18,50.03 59.18,50.65 D251.1 54.65,50.65 54.61,50.61 D256.1 ; 61.63,37.57 D241.1 D236.1 D231.1 D226.1 D221.1 D216.1 D211.1 13.25,37.57 ; 61.63,37.57 62.97,37.57 D246.1 ; v1(13.34,39.29) 13.34,37.65 13.25,37.57
ROW1: length 183.8
  Top w0.25: v1(9.91,28.78) 9.8,28.68 9.8,24.82 8.79,23.8 7.91,23.8 7.26,23.15 ; 6.61,22.5 7.26,23.15 ; 7.26,23.15 J1.2
  In1.Cu w0.25: 25.6,53.68 25.6,97.54 v1(24.56,98.58) ; 25.6,53.68 25.6,51.64 25.78,51.46 25.78,36.98 26.28,36.48 26.28,31.86 27.18,30.96 v1(27.18,29.95) ; 25.6,53.68 25.49,53.56 v1(25.49,52.79)
  Bottom w0.25: D227.1 36.89,29.64 37.11,29.64 ; D227.1 D222.1 v1(27.18,29.95) D217.1 D212.1 D207.1 ; D227.1 36.8,29.95 37.11,29.64 ; 37.11,29.64 37.42,29.95 D232.1 D237.1 D242.1 D247.1 ; v1(9.91,28.78) D207.1 ; D207.1 D202.1 ; v1(25.49,52.79) 47.95,52.79 49.28,51.47 D252.1 48.45,50.65 48.31,50.5 44.4,50.5 44.26,50.65 D257.1 ; v1(24.56,98.58) 23.82,98.58 23.8,98.6 23.81,98.61 23.81,99.86 23.64,100.03 17.59,100.03 16.56,101.06 16.48,101.06 16.18,101.37 ; 16.18,101.37 U103.38 15.87,101.67 16.18,101.37
ROW2: length 178.3
  Top w0.25: J1.3 6.61,19.96 5.72,19.96 4.52,21.16 v1(3.4,21.16)
  In1.Cu w0.25: v1(21.79,94.46) 21.79,94.39 23.16,93.01 23.5,93.01 23.5,92.07 23.47,92.05 23.47,74.96 23.6,74.83 23.6,62.64 22,61.04 20.6,61.04 19.48,59.92 19.48,59.64 18.99,59.14 18.99,47.43 ; v1(20.13,47.43) 18.99,47.43 ; 18.99,47.43 18.99,22.44 v1(18.88,22.33)
  Bottom w0.25: v1(21.79,94.46) 21.87,94.46 21.95,94.54 22.38,94.98 22.38,98.03 21.77,98.64 16.8,98.64 15.39,100.05 14.83,100.61 U103.41 ; D248.1 D243.1 D238.1 D233.1 D228.1 D223.1 D218.1 v1(18.88,22.33) D213.1 D208.1 D203.1 3.4,22.23 v1(3.4,21.16) ; D258.1 D253.1 35.75,44.68 33,47.43 v1(20.13,47.43)
ROW3: length 200.1
  Top w0.25: v1(6.61,17.42) J1.4 ; v1(22.84,94.39) 22.91,94.39
  In1.Cu w0.25: v1(22.15,48.67) 21.44,47.96 21.44,47.03 ; v1(22.84,94.39) 23.32,93.9 23.82,93.9 24.11,93.62 24.11,62.06 24.05,62 24.05,55.12 23.73,54.8 23.73,47.66 23.1,47.03 20.79,47.03 19.44,45.67 19.44,44.38 19.6,44.22 19.6,21 19.33,20.73 19.33,15.06 v1(19.68,14.71)
  Bottom w0.25: 15.17,100.96 U103.40 15.17,100.96 ; 15.17,100.96 15.17,100.96 15.72,100.41 17.04,99.09 22.09,99.09 22.43,98.76 22.84,98.35 v1(22.84,94.39) ; v1(6.61,17.42) 4.67,17.42 4.6,17.35 4.6,17.3 3.3,16 D204.1 D209.1 D214.1 v1(19.68,14.71) D219.1 D224.1 D229.1 D234.1 D239.1 D244.1 D249.1 ; D259.1 D254.1 46.76,44.68 45.11,46.33 34.74,46.33 32.15,48.92 22.4,48.92 v1(22.15,48.67)
